# Altium PCB ife18_TS_BMS_Master.PcbDoc
Units mm, origin at the board's own origin, x right, y up, seen from the top; angles counter-clockwise.
Board outline 140 x 68 mm, 2 copper layers (Top Layer, Bottom Layer); 49 components, 51 nets, 222 pads, 62 vias.
Unrouted connection lines stored in the file: 5.
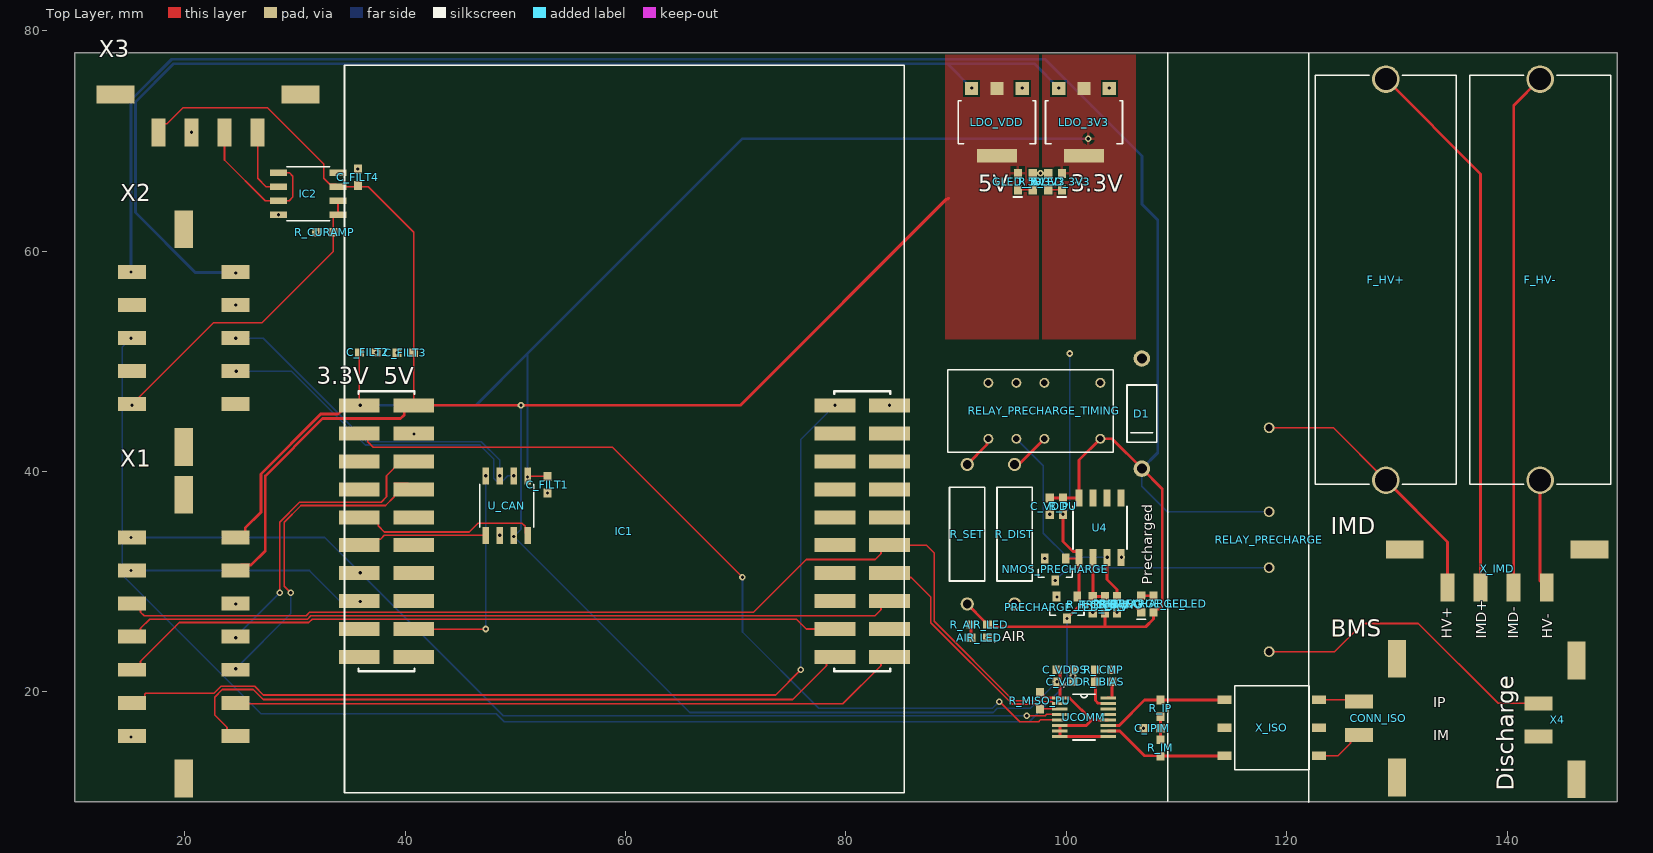
[diagram p0: Top Layer view]
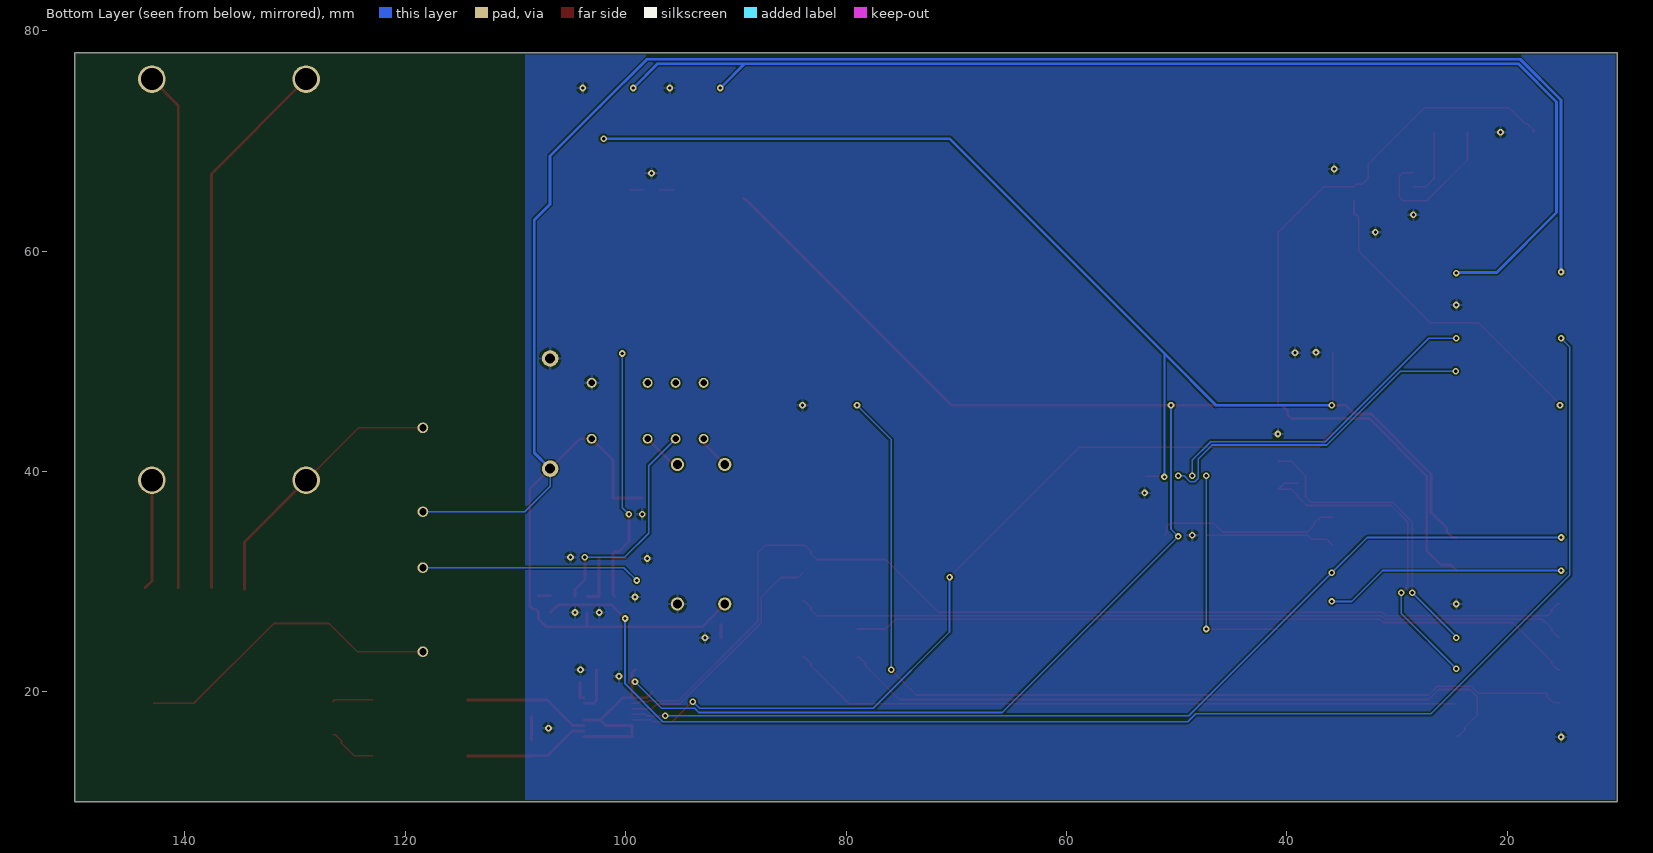
[diagram p1: Bottom Layer view, seen from below]

## Layer stack, top to bottom
Top Solder: solder mask 0.0102, Solder Resist, Dk 3.5
Top Layer: signal copper 0.0356
Dielectric 1: dielectric 0.32, FR-4, Dk 4.8
Bottom Layer: signal copper 0.0356
Bottom Solder: solder mask 0.0102, Solder Resist, Dk 3.5

## Board outline
10,10 150,10 150,78 10,78

## Design rules (kind name [scope] priority, off if disabled: settings)
BoardOutlineClearance [All] p1: gap=0.2 ignorepadtopadclearanceinfootprint=FALSE
Clearance "Tractive Net Class" [InNetClass('Tractive')] p1: gap=0.8 ignorepadtopadclearanceinfootprint=FALSE
Clearance [NOT InNetClass('Tractive')] p2: gap=0.152 ignorepadtopadclearanceinfootprint=FALSE
HoleSize [All] p1: absolutevalues=TRUE maxlimit=6.3 minlimit=0.3 maxpercent=80.000 minpercent=20.000
MinimumAnnularRing [All] p1: minimumring=0.076
MinimumSolderMaskSliver [All] p1: minsoldermaskwidth=0
PolygonConnect "SOT223 Planes" [HasFootprint('SOT223')] p1: connectstyle=Direct reliefconductorwidth=0.254 reliefentries=4 polygonreliefangle="90 Angle" airgapwidth=0.254
PolygonConnect [All] p2: connectstyle=Relief reliefconductorwidth=0.254 reliefentries=4 polygonreliefangle="90 Angle" airgapwidth=0.254
RoomDefinition U_Precharge [InComponentClass('U_Precharge')] p1: confinementstyle=ConfineIn formatcopy=TRUE lockcomponents=FALSE outline 89,10 122,10 122,78 89,78
RoomDefinition U_Comms [InComponentClass('U_Comms')] p2: confinementstyle=ConfineIn formatcopy=TRUE lockcomponents=FALSE outline 89,10 150,10 150,78 89,78
RoomDefinition ife18_TS_BMS_Master [InComponentClass('ife18_TS_BMS_Master')] p3: confinementstyle=ConfineIn formatcopy=TRUE lockcomponents=FALSE outline 10,9.75 150,9.75 150,77.75 10,77.75
RoutingVias [All] p1: holewidth=0.3 width=0.6 viastyle="Through Hole" minholewidth=0.3 minwidth=0.6 maxholewidth=6.3 maxwidth=10
SilkToSilkClearance [All] p1: silktosilkclearance=0
SilkToSolderMaskClearance [IsPad] p1: minsilkscreentomaskgap=0 clearancetoexposedcopper=TRUE
SolderMaskExpansion [All] p1: expansion=0.051
Width [All] p1: maxlimit=2.54 minlimit=0.152 preferedwidth=0.254
26 further rules are at their usual default settings.

## Classes and differential pairs
net class Tractive: Discharge+ HV+ HV- IM_ISO IMD+ IMD- IP_ISO
component class U_Precharge: AIR_LED C_TIMING C_VDD D1 NMOS_PRECHARGE PRECHARGE_LED PRECHARGE_LED_DRV R_AIR_LED R_DIST R_PRECHARGE_LED R_PU R_SET R_TRIG_B R_TRIG_T RELAY_PRECHARGE RELAY_PRECHARGE_TIMING U4
component class U_Comms: C_IPIM C_VDD C_VDDS CONN_ISO R_IBIAS R_ICMP R_IM R_IP R_MISO_PU UCOMM X_ISO
component class ife18_TS_BMS_Master: C_FILT1 C_FILT2 C_FILT3 C_FILT4 F_HV+ F_HV- GLED_3V3 GLED_5V IC1 IC2 LDO_3V3 LDO_VDD R_3V3 R_5V R_CURAMP U_CAN X1 X2 X3 X4 X_IMD

## Components (designator, comment, footprint, x,y, rotation, side; value= is the part's Value field where it differs from the comment)
AIR_LED "" LEDRED-0603 92.1,24.9 r0 top
C_FILT1 "1u" CAP-0603 52.9,38.8 r90 top
C_FILT2 "1u" CAP-0603 36.594,50.8 r180 top
C_FILT3 "1u" CAP-0603 40,50.776 r0 top
C_FILT4 "1u" CAP-0603 35.7,66.7 r270 top
C_IPIM "10n" CAP-0603 107.8,16.7 r180 top
C_TIMING "33u" CAP-0603 104.6,27.9 r90 top
C_VDD "1u" CAP-0603 98.5,36.85 r90 top
C_VDD "1u" CAP-0603 99.9,20.9 r180 top
C_VDDS "1u" CAP-0603 99.9,22 r180 top
CONN_ISO "" 43650-0224 130,17.6 r90 top
D1 "" DO41-10 106.853,45.25 r270 top
F_HV+ "" FUSE3AG_354101 129,57.4 r270 top
F_HV- "" FUSE3AG_354101 143,57.4 r90 top
GLED_3V3 "" LEDGREEN-0603 99.6,66.3 r270 top
GLED_5V "" LEDGREEN-0603 95.6,66.3 r270 top
IC1 "EK-TM4C123GXL" TM4C123LAUNCHPAD 59.885,33.3 r0 top
IC2 "IC-SOIC8_INA143" SOIC8 31.2,65.2 r270 top
LDO_3V3 "3V3" SOT223 101.6,71.7 r180 top
LDO_VDD "5V" SOT223 93.7,71.7 r180 top
NMOS_PRECHARGE "NMOS-SOT23" SOT23 99,31.1 r180 top
PRECHARGE_LED "" LEDGREEN-0603 106.8,27.97 r270 top
PRECHARGE_LED_DRV "" SOT23 100.05,27.65 r180 top
R_3V3 "200" RES-0603 98.35,66.3 r90 top
R_5V "200" RES-0603 96.95,66.3 r90 top
R_AIR_LED "1K" RES-0603 92.1,26.1 r180 top
R_CURAMP "100K" RES-0603 32.7,61.7 r0 top
R_DIST "50" AXIAL0.5 95.3,34.3 r270 top
R_IBIAS "1K" RES-0603 103.4,20.9 r0 top
R_ICMP "1K" RES-0603 103.4,22 r180 top
R_IM "50" RES-0603 108.55,14.9 r90 top
R_IP "50" RES-0603 108.55,18.5 r270 top
R_MISO_PU "4K" RES-0603 97.6,19.2 r90 top
R_PRECHARGE_LED "1K" RES-0603 107.9,27.97 r270 top
R_PU "10K" RES-0603 99.7,36.85 r90 top
R_SET "220K" AXIAL0.5 91,34.3 r270 top
R_TRIG_B "6.3K" RES-0603 102.4,27.9 r90 top
R_TRIG_T "3.7K" RES-0603 103.5,27.9 r270 top
RELAY_PRECHARGE "COTO9104" 9104-SIP4 118.4,33.8 r270 top
RELAY_PRECHARGE_TIMING "" RELAY-DPDT_EC2 96.734,45.5 r180 top
U4 "" SOIC8 103.05,34.9 r0 top
U_CAN "IC-SOIC8_MCP2562" SOIC8 49.2,36.9 r0 top
UCOMM "IC-MSOP16_LTC6820" MSOP16 101.6,17.7 r0 top
X1 "Molex - Micro-Fit 3.0 Series connector,  3.00mm (0.118\") pitch header, 14 positions." 43045-1418 19.9,25 r90 top
X2 "Molex - Micro-Fit 3.0 Series connector,  3.00mm (0.118\") pitch header, 10 positions." 43045-1018 19.9,52.1 r90 top
X3 "Molex - Micro-Fit 3.0 Series connector,  3.00mm (0.118\") pitch header, 4 positions." 43650-0424 22.1,74.2 r180 top
X4 "Molex - Micro-Fit 3.0 Series connector,  3.00mm (0.118\") pitch header, 2 positions." 43650-0224 146.3,17.45 r90 top
X_IMD "" 43650-0424 139.1,32.9 r180 top
X_ISO "XFMR_HM2101NL" HM2101 118.65,16.725 r90 top

## Footprints (in the part's own frame and the unit in brackets; to place one, negate y for a bottom-side part, rotate by r counter-clockwise, add the part's x,y. Pads: shape width x height; smd on the part's side, far side on the other; paste and mask are expansions set on the pad)
9104-SIP4 [mm]
  round 0.975 / inner round 1.524 / far side round 0.975 hole 0.65: 1(-10.16,0) 3(-2.54,0) 5(2.54,0) 7(10.16,0)
  body extent -12.03,-3.23 12.03,2.97, height 8.14
43045-1018 [mm]
  rect 3.43x1.65 smd: CLIP1(-9.88,0) CLIP2(9.88,0)
  rect 1.27x2.54 smd: P$1(6,-4.7) P$2(3,-4.7) P$3(0,-4.7) P$4(-3,-4.7) P$5(-6,-4.7) P$6(6,4.7) P$7(3,4.7) P$8(0,4.7) P$9(-3,4.7) P$10(-6,4.7)
  body extent -11.32,-5.61 11.33,5.59, height 9.95
43045-1418 [mm]
  rect 3.43x1.65 smd: CLIP1(-12.88,0) CLIP2(12.88,0)
  rect 1.27x2.54 smd: P$1(9,-4.7) P$2(6,-4.7) P$3(3,-4.7) P$4(0,-4.7) P$5(-3,-4.7) P$6(-6,-4.7) P$7(-9,-4.7) P$8(9,4.7) P$9(6,4.7) P$10(3,4.7) P$11(0,4.7) P$12(-3,4.7) P$13(-6,4.7) P$14(-9,4.7)
  body extent -14.32,-5.61 14.33,5.59, height 9.95
43650-0224 [mm]
  rect 1.27x2.54 smd: P$1(1.5,3.43) P$2(-1.5,3.43)
  rect 3.43x1.65 smd: TAB1(5.39,0) TAB2(-5.39,0)
  body extent -6.82,-2.47 6.83,4.1, height 9.95
43650-0424 [mm]
  rect 1.27x2.54 smd: P$1(4.5,3.43) P$2(1.5,3.43) P$3(-1.5,3.43) P$4(-4.5,3.43)
  rect 3.43x1.65 smd: TAB1(8.39,0) TAB2(-8.39,0)
  body extent -9.82,-2.47 9.83,4.1, height 9.95
AXIAL0.5 [mm]
  round 1.2 hole 0.8 unplated: 1(-6.33,0) 2(6.33,0)
  silkscreen extent -4.25,-1.6 4.25,1.6, body extent -6.72,-1.87 6.73,1.88, height 3.98
CAP-0603 [mm]
  rect 0.8x0.75 smd: 1(-0.75,0) 2(0.75,0)
  body extent -0.8,-0.4 0.8,0.42, height 0.81
DO41-10 [mm]
  round 1.5 hole 0.9 unplated: A(-5,0) K(5,0)
  silkscreen extent -2.6,-1.35 2.6,1.35, body extent -2.6,-1.34 2.6,1.35, height 2.85
FUSE3AG_354101 [mm]
  round 2.5 hole 2 unplated: 1(-18.2,0) 2(18.2,0)
  silkscreen extent -18.55,-6.4 18.55,6.4, body extent -18.97,-6.56 18.97,6.5, height 18.31
HM2101 [mm]
  rect 0.76x1.27 smd: 1(-2.54,-4.3) 2(0,-4.3) 3(2.54,-4.3) 4(2.54,4.3) 5(0,4.3) 6(-2.54,4.3)
  silkscreen extent -3.81,-3.36 3.81,3.36, body extent -3.81,-4.44 3.81,4.44, height 5.71
LEDGREEN-0603 [mm]
  rect 0.8x0.75 smd: A(-0.75,0) K(0.75,0)
  silkscreen extent 1.4,-0.42 1.4,0.38, body extent -0.8,-0.4 0.8,0.4, height 0.53
LEDRED-0603 [mm]
  rect 0.8x0.75 smd: A(-0.75,0) K(0.75,0)
  silkscreen extent 1.4,-0.42 1.4,0.38, body extent -0.8,-0.4 0.8,0.4, height 0.53
MSOP16 [mil]
  rect 55x11 smd: 1(-86,68.95) 2(-86,49.25) 3(-86,29.55) 4(-86,9.85) 5(-86,-9.85) 6(-86,-29.55) 7(-86,-49.25) 8(-86,-68.95) 9(86,-68.95) 10(86,-49.25) 11(86,-29.55) 12(86,-9.85) 13(86,9.85) 14(86,29.55) 15(86,49.25) 16(86,68.95)
  silkscreen extent -39,-82 39,82, body extent -99,-81 100,82, height 43
RELAY-DPDT_EC2 [mm]
  round 0.9 / inner round 1.524 / far side round 0.9 hole 0.6: 1(-6.35,2.54) 3(-1.27,2.54) 4(1.27,2.54) 5(3.81,2.54) 8(3.81,-2.54) 9(1.27,-2.54) 10(-1.27,-2.54) 12(-6.35,-2.54)
  silkscreen extent -7.5,-3.75 7.5,3.75, body extent -7.4,-3.75 7.6,3.75, height 8.9
RES-0603 [mm]
  rect 0.8x0.75 smd: 1(-0.75,0) 2(0.75,0)
  body extent -0.8,-0.4 0.8,0.4, height 0.44
SOIC8 [mm]
  rect 0.6x1.55 smd: 1(-1.905,-2.7) 2(-0.635,-2.7) 3(0.635,-2.7) 4(1.905,-2.7) 5(1.905,2.7) 6(0.635,2.7) 7(-0.635,2.7) 8(-1.905,2.7)
  silkscreen extent -2.45,-1.95 2.45,1.95, body extent -2.45,-3.01 2.45,3.01, height 1.5
SOT23 [mm]
  rect 0.7x0.9 smd: 1(-0.95,-1) 2(0.95,-1) 3(0,1)
  silkscreen extent -1.55,0 1.55,0.71, body extent -1.45,-1.41 1.45,1.41, height 1.5
SOT223 [mm]
  rect 1.2x1.2 smd: 1(-2.3,-3.05) 2(0,-3.05) 3(2.3,-3.05)
  rect 3.6x1.2 smd: 4(0,3.05)
  silkscreen extent -3.5,-1.95 3.5,1.95, body extent -3.25,-3.52 3.25,3.5, height 1.8
TM4C123LAUNCHPAD [mm]
  rect 3.68x1.27 smd: 1(-24.065,12.7) 2(-24.065,10.16) 3(-24.065,7.62) 4(-24.065,5.08) 5(-24.065,2.54) 6(-24.065,0) 7(-24.065,-2.54) 8(-24.065,-5.08) 9(-24.065,-7.62) 10(-24.065,-10.16) 11(24.065,-10.16) 12(24.065,-7.62) 13(24.065,-5.08) 14(24.065,-2.54) 15(24.065,0) 16(24.065,2.54) 17(24.065,5.08) 18(24.065,7.62) 19(24.065,10.16) 20(24.065,12.7) 21(-19.115,12.7) 22(-19.115,10.16) 23(-19.115,7.62) 24(-19.115,5.08) 25(-19.115,2.54) 26(-19.115,0) 27(-19.115,-2.54) 28(-19.115,-5.08) 29(-19.115,-7.62) 30(-19.115,-10.16) 31(19.115,-10.16) 32(19.115,-7.62) 33(19.115,-5.08) 34(19.115,-2.54) 35(19.115,0) 36(19.115,2.54) 37(19.115,5.08) 38(19.115,7.62) 39(19.115,10.16) 40(19.115,12.7)
  silkscreen extent -25.43,-22.48 25.4,43.56, body extent -25.4,-22.48 25.4,43.56, height 21.44

## Part data
AIR_LED: library part LEDRED-0603
C_FILT1 C_FILT2 C_FILT3 C_FILT4 C_IPIM C_TIMING C_VDD C_VDD C_VDDS: library part CAP-0603
CONN_ISO: library part POS2_43650-0224, Package=43650-0224, DeviceName=43650-0224, DeviceSetName=HEADER_POS2_?, GateName_1=G$1, LibraryName="MOLEX Micro-Fit", SymbolName_1=HEADER_POS2
D1: library part DIODE-DO41-10
F_HV+ F_HV-: library part FUSE-354101
GLED_3V3 GLED_5V PRECHARGE_LED: library part LEDGREEN-0603
IC1: "Evaluation Kit For ARM Cortex-M4F-based Microcontrollers", Package=None, Availability=Unavailable, MF="Texas Instruments", MP=EK-TM4C123GXL, Price=None, SnapEDA_Link=https://www.snapeda.com/parts/EK-TM4C123GXL/Texas%20Instruments/view-part/?ref=snap
LDO_3V3 LDO_VDD: library part LDO-SOT223_SPX1117
PRECHARGE_LED_DRV: library part NMOS-SOT23
R_3V3 R_5V R_AIR_LED R_CURAMP R_IBIAS R_ICMP R_IM R_IP R_MISO_PU R_PRECHARGE_LED R_PU R_TRIG_B R_TRIG_T: library part RES-0603
R_DIST R_SET: library part RES-AXIAL0.5
RELAY_PRECHARGE: Package=9104-SIP4, DeviceSetName=COTO9104, GateName_1=G$1, LibraryName=Discharge_Components_Altium_Export, SymbolName_1=SPST_REED
RELAY_PRECHARGE_TIMING: library part RELAY_EC2, Package=DPDT_2.54, DeviceSetName=EC2, GateName_1=G$1, LibraryName=KEMET, SymbolName_1=MONOSTABLERELAY
U4: library part IC-SOIC8_LM393
X1: library part POS14_MF43045-1418, Package=43045-1418, DeviceName=43045-1418, DeviceSetName=HEADER_POS14_?, GateName_1=G$1, LibraryName="MOLEX Micro-Fit", SymbolName_1=HEADER_POS14
X2: library part POS10_MF43045-1018, Package=43045-1018, DeviceName=43045-1018, DeviceSetName=HEADER_POS10_?, GateName_1=G$1, LibraryName="MOLEX Micro-Fit", SymbolName_1=HEADER_POS10
X3 X_IMD: library part POS4_MF43650-0424, Package=43650-0424, DeviceName=43650-0424, DeviceSetName=HEADER_POS4_?, GateName_1=G$1, LibraryName="MOLEX Micro-Fit", SymbolName_1=HEADER_POS4
X4: library part POS2_MF43650-0224, Package=43650-0224, DeviceName=43650-0224, DeviceSetName=HEADER_POS2_?, GateName_1=G$1, LibraryName="MOLEX Micro-Fit", SymbolName_1=HEADER_POS2

## Via types
v1: diameter 0.6, hole 0.3, Top Layer to Bottom Layer, 62 vias

## Nets (pads, with @x,y where several pads share a name; then routed paths per layer and width w, separated by ;. In a path a pad name is that pad's centre, name@x,y a point inside that pad or via, vN(x,y) a via of type N, cw(c..) or ccw(c..) an arc to the next point about the centre after c; other vN are vias at no path point)
3V3: C_FILT1.2 C_FILT2.2 GLED_3V3.A IC1.1 LDO_3V3.2 LDO_3V3.4 U_CAN.5 X1.P$1 | length 112.4
  Top Layer w0.152: IC1.1 35.82,50.776 C_FILT2.2 ; U_CAN.5@51.105,39.505 51.15,39.55 C_FILT1.2
  Top Layer w0.254: X1.P$1 24.959,34 25.467,34.508 25.467,34.867 26.894,36.294 26.894,39.768 32.332,45.206 33.906,45.206 34.107,45.407 34.107,45.492 34.615,46 IC1.1
  Bottom Layer w0.152: v1(51.1,39.5) 51.1,50.7
  Bottom Layer w0.254: v1(35.9,46) 46.4,46 51.1,50.7 70.6,70.2 v1(102,70.2)
5V: C_FILT3.2 C_FILT4.2 C_VDD.2@99.15,20.9 C_VDDS.2 GLED_5V.A IC1.21 IC2.7 LDO_VDD.2 LDO_VDD.4 R_MISO_PU.2 U_CAN.3 UCOMM.1 UCOMM.6 UCOMM.7 UCOMM.8 UCOMM.9 UCOMM.12 X1.P$2 X3.P$1 | length 216
  Top Layer w0.152: X3.P$1 17.6,70.986 18.159,71.544 18.374,71.544 19.83,73 27.5,73 32.6,67.9 32.6,66.6 33.141,66.059 33.676,66.059 IC2.7 36.635,65.835 40.77,61.7 IC1.21 ; v1(49.835,34.1) U_CAN.3
  Top Layer w0.254: X1.P$2 25.108,31.508 26.008,31.508 27.3,32.8 27.3,39.6 32.5,44.8 39.57,44.8 39.903,45.133 39.903,45.492 40.411,46 IC1.21 v1(50.5,46) 70.4,46 89.1,64.7 89.2,64.7 89.3,64.8 ; R_MISO_PU.2 97.6,19.925 97.848,19.677 97.873,19.677 98.099,19.451 UCOMM.1 ; C_VDDS.2 99.168,22 99.416,21.752 UCOMM.1 ; UCOMM.9 UCOMM.8 UCOMM.7 UCOMM.6 101.801,16.949 102.302,17.45 ; UCOMM.12 102.302,17.45 ; UCOMM.1 100.3,19.451 102.302,17.45
  Bottom Layer w0.152: v1(50.5,46) 50.5,34.765 v1(49.835,34.1) 65.809,18.126 93.357,18.126 93.733,18.502 96.752,18.502 v1(99.15,20.9)
AIR: C_VDD.2@98.5,37.6 D1.K R_AIR_LED.1 R_PRECHARGE_LED.2 R_PU.2 R_SET.2 R_TRIG_T.2 RELAY_PRECHARGE.3 RELAY_PRECHARGE_TIMING.1 U4.8 X2.P$6 | length 204.3
  Top Layer w0.152: v1(15.1,58.1) X2.P$6 ; 108.7,36.3 108.74,36.34
  Top Layer w0.254: R_SET.2 92.577,26.393 92.577,26.348 92.825,26.1 R_AIR_LED.1 93.05,25.9 103.5,25.9 ; C_VDD.2@98.5,37.6 U4.8 101.145,41.021 RELAY_PRECHARGE_TIMING.1 104.143,42.96 D1.K 108.7,38.403 108.7,36.3 108.7,27.8 108.393,27.493 108.148,27.493 107.9,27.245 R_PRECHARGE_LED.2 107.9,26.6 107.2,25.9 103.5,25.9 ; R_TRIG_T.2 103.5,25.9
  Bottom Layer w0.152: D1.K 106.853,38.647 109.16,36.34 RELAY_PRECHARGE.3
  Bottom Layer w0.254: v1(15.1,58.1) 15.1,73.7 18.806,77.406 98.064,77.406 102.312,73.158 106.853,68.617 106.853,64.25 108.3,62.803 108.3,41.697 D1.K
BMS_CS: IC1.2 UCOMM.5 | length 78
  Top Layer w0.152: IC1.2 36.036,43.46 36.594,42.901 36.594,42.686 37.08,42.2 58.8,42.2 v1(70.6,30.4) ; v1(93.9,19.1) 93.951,19.1 95.758,17.293 97.493,17.293 97.65,17.45 UCOMM.5
  Bottom Layer w0.152: v1(70.6,30.4) 70.6,25.421 77.52,18.502 93.302,18.502 v1(93.9,19.1)
BMS_FLT: X2.P$5
BMS_MISO: IC1.14 R_MISO_PU.1 UCOMM.3 | length 21.9
  Top Layer w0.152: IC1.14 84.344,30.366 85.929,30.366 87.695,28.6 87.695,26.274 95.074,18.895 97.155,18.895 97.276,18.774 97.301,18.774 97.6,18.475 R_MISO_PU.1 ; R_MISO_PU.1 UCOMM.3
BMS_MOSI: IC1.15 UCOMM.2 X1.P$10 | length 97.2
  Top Layer w0.152: X1.P$10 15.416,28 15.974,27.441 15.974,27.226 16.3,26.9 31,26.9 31.305,27.205 32.526,27.205 71.605,27.205 76.4,32 82.65,32 83.176,32.526 83.176,32.741 83.734,33.3 IC1.15 87.3,33.3 88,32.6 88,26.4 95.2,19.2 97.847,19.2 97.964,19.083 98.725,19.083 98.857,18.951 UCOMM.2
BMS_SCK: IC1.7 UCOMM.4 X1.P$8 | length 91.2
  Top Layer w0.152: v1(96.4,17.821) 98.07,17.821 98.198,17.95 UCOMM.4
  Bottom Layer w0.152: v1(15.1,34) 32.7,34 32.9,33.8 ; 32.782,33.918 v1(35.9,30.8) 48.879,17.821 v1(96.4,17.821)
CAN0Rx: IC1.5 U_CAN.4 | length 17.1
  Top Layer w0.152: IC1.5 36.976,35.84 37.534,35.281 37.534,35.066 38.095,34.505 45.805,34.505 46.6,35.3 50.6,35.3 50.881,35.019 50.881,34.424 U_CAN.4
CAN0Tx: IC1.6 U_CAN.1 | length 11.8
  Top Layer w0.152: IC1.6 36.377,33.857 37.757,33.857 38.1,34.2 U_CAN.1
CANH: U_CAN.7 X2.P$3 | length 30
  Bottom Layer w0.152: v1(24.6,52.1) 27.1,52.1 36.5,42.7 46.9,42.7 48.565,41.035 v1(48.565,39.6)
CANL: U_CAN.6 X2.P$4 | length 30.6
  Bottom Layer w0.152: v1(24.666,49.1) 29.669,49.1 36.374,42.395 46.774,42.395 48.036,41.133 48.036,39.381 48.346,39.071 48.784,39.071 49.313,39.6 v1(49.835,39.6)
CANSTBY: IC1.29 U_CAN.8 | length 20.4
  Top Layer w0.152: IC1.29 47.28,25.68 v1(47.3,25.7)
  Bottom Layer w0.152: v1(47.3,25.7) v1(47.3,39.6)
CUR: IC2.2 X3.P$4 | length 6.4
  Top Layer w0.152: X3.P$4 26.6,66.6 27.365,65.835 IC2.2
CURAMP: IC2.5 IC2.6 R_CURAMP.2 X2.P$10 | length 28.9
  Top Layer w0.152: X2.P$10 22.6,53.5 27,53.5 33.461,59.961 33.461,63.071 33.684,63.295 IC2.5 IC2.6
  other v1: 15.2,46
CURREF: IC2.1 IC2.3 X3.P$3 | length 13.7
  Top Layer w0.152: X3.P$3 23.6,68.265 27.3,64.565 IC2.3 29.465,64.565 29.8,64.9 29.8,66.8 29.495,67.105 IC2.1
CURRENT: X2.P$9
Discharge+: RELAY_PRECHARGE.7 X4.P$1 | length 28.5
  Top Layer w0.152: RELAY_PRECHARGE.7 124.34,23.64 126.9,26.2 131.94,26.2 139.19,18.95 X4.P$1
GND: AIR_LED.K C_FILT1.1 C_FILT2.1 C_FILT3.1 C_FILT4.1 C_IPIM.2 C_TIMING.1 C_VDD.1 C_VDDS.1 D1.A IC1.20 IC1.22 IC2.4 LDO_3V3.1 LDO_VDD.1 NMOS_PRECHARGE.2 PRECHARGE_LED_DRV.2 R_3V3.2 R_5V.2 R_CURAMP.1 R_DIST.2 R_ICMP.1 R_TRIG_B.1 RELAY_PRECHARGE_TIMING.12 U4.4 U_CAN.2 UCOMM.13 UCOMM.14 X1.P$3 X1.P$14 X2.P$2 X3.P$2 | length 1.4
  Top Layer w0.152: R_5V.2 v1(97.65,67.05) R_3V3.2
  other v1: 15.1,15.9 107,16.7 100.6,21.4 104.1,22 92.8,24.9 102.4,27.2 104.6,27.2 24.6,27.97 99.15,28.6 98.05,32.1 105,32.2 48.565,34.2 98.5,36.1 52.9,38.05 40.8,43.4 83.95,46 39.25,50.776 37.344,50.8 24.6,55.1 31.95,61.7 28.5,63.295 35.7,67.45 20.6,70.77 96,74.8 103.9,74.8
HV+: F_HV+.2 RELAY_PRECHARGE.1 X_IMD.P$1 | length 24.8
  Top Layer w0.152: RELAY_PRECHARGE.1 124.24,43.96 F_HV+.2
  Top Layer w0.254: F_HV+.2 134.6,33.6 X_IMD.P$1 X_IMD.P$1@134.6,29.3
HV-: F_HV-.1 X4.P$2 X_IMD.P$4 | length 10
  Top Layer w0.254: F_HV-.1 143,30.07 X_IMD.P$4
IBIAS: R_IBIAS.2 UCOMM.16 | length 1.8
  Top Layer w0.254: UCOMM.16 104.137,19.451 104.15,19.464 R_IBIAS.2
ICMP: R_IBIAS.1 R_ICMP.2 UCOMM.15 | length 4
  Top Layer w0.254: R_ICMP.2 R_IBIAS.1 102.65,19.2 102.899,18.951 UCOMM.15
IM: R_IM.1 UCOMM.10 X_ISO.6 | length 11.5
  Top Layer w0.254: UCOMM.10 104.851,16.449 107.1,14.2 108.5,14.2 R_IM.1 108.585,14.185 X_ISO.6
IM_ISO: CONN_ISO.P$2 X_ISO.1 | length 4.5
  Top Layer w0.152: X_ISO.1 124.655,14.185 125.796,15.326 125.796,15.541 126.354,16.1 CONN_ISO.P$2
IMD+: F_HV+.1 X_IMD.P$2 | length 49.7
  Top Layer w0.254: F_HV+.1 137.6,67 X_IMD.P$2
IMD-: F_HV-.2 X_IMD.P$3 | length 47.1
  Top Layer w0.254: X_IMD.P$3 140.6,73.2 F_HV-.2
IMD_FLT: X2.P$7
IP: R_IP.1 UCOMM.11 X_ISO.4 | length 11.5
  Top Layer w0.254: UCOMM.11 104.8,16.949 107.1,19.25 R_IP.1 114.335,19.25 X_ISO.4
IP_ISO: CONN_ISO.P$1 X_ISO.3 | length 3.7
  Top Layer w0.152: X_ISO.3 126.405,19.265 CONN_ISO.P$1
LCD_RST: IC1.32 X1.P$12 | length 66.2
  Top Layer w0.152: X1.P$12 15.416,22 15.974,22.559 15.974,22.774 19.49,26.29 31.253,26.29 31.557,26.595 75.505,26.595 76.4,25.7 78.98,25.7 IC1.32
LCD_SCS: IC1.13 X1.P$11 | length 70.3
  Top Layer w0.152: X1.P$11 15.416,25 15.974,25.559 15.974,25.774 16.795,26.595 31.126,26.595 31.431,26.9 32.4,26.9 82.63,26.9 83.176,27.446 83.176,27.661 83.734,28.22 IC1.13
LCD_SDC: IC1.8 X1.P$9 | length 22.1
  Top Layer w0.152: v1(15.1,31) X1.P$9
  Bottom Layer w0.152: v1(15.1,31) 31.3,31 34.1,28.2 v1(35.9,28.2)
LED_PWM: IC1.40 X1.P$13 | length 88
  Top Layer w0.152: X1.P$13 15.79,19 16.349,19.559 16.349,19.774 16.438,19.864 22.633,19.864 23.274,20.505 26.326,20.505 27.131,19.7 73.6,19.7 v1(75.9,22)
  Bottom Layer w0.152: v1(75.9,22) 75.9,42.9 v1(79,46)
NetAIR_LED_A: AIR_LED.A R_AIR_LED.2 | length 1.2
  Top Layer w0.254: AIR_LED.A R_AIR_LED.2
NetC_IPIM_1: C_IPIM.1 R_IM.2 R_IP.2 | length 2.1
  Top Layer w0.254: R_IM.2 C_IPIM.1 R_IP.2
NetGLED_3V3_K: GLED_3V3.K R_3V3.1 | length 1.3
  Top Layer w0.152: R_3V3.1 GLED_3V3.K
NetGLED_5V_K: GLED_5V.K R_5V.1 | length 1.4
  Top Layer w0.152: GLED_5V.K R_5V.1
NetPRECHARGE_LED_A: PRECHARGE_LED.A R_PRECHARGE_LED.1 | length 1.1
  Top Layer w0.254: PRECHARGE_LED.A R_PRECHARGE_LED.1
NetR_DIST_1: R_DIST.1 RELAY_PRECHARGE_TIMING.3 | length 3.7
  Top Layer w0.254: R_DIST.1 95.481,40.811 95.855,40.811 RELAY_PRECHARGE_TIMING.3
NetR_SET_1: R_SET.1 RELAY_PRECHARGE_TIMING.5 | length 3.1
  Top Layer w0.254: R_SET.1 92.801,42.431 92.801,42.836 RELAY_PRECHARGE_TIMING.5
PRECHARGE: NMOS_PRECHARGE.1 PRECHARGE_LED_DRV.1 R_PU.1 U4.1 | length 24.5
  Top Layer w0.152: NMOS_PRECHARGE.1 101.045,32.1 U4.1 ; v1(100.3,50.7) v1@100.4,50.7
  Top Layer w0.254: v1(99.7,36.1) 99.7,33.645 100.613,32.732 100.972,32.732 101.145,32.559 U4.1 101.145,28.795 PRECHARGE_LED_DRV.1
  Bottom Layer w0.152: v1(99.7,36.1) 100.3,36.7 v1(100.3,50.7)
PRECHARGE_COMPLETE: PRECHARGE_LED.K PRECHARGE_LED_DRV.3 X2.P$8 | length 128.2
  Top Layer w0.152: v1(15.1,52.1) X2.P$8
  Top Layer w0.254: v1(100.05,26.65) 100.05,26.75 100.273,26.973 100.373,26.973 101.3,27.9 106.12,27.9 106.527,27.493 106.552,27.493 106.8,27.245 PRECHARGE_LED.K
  Bottom Layer w0.152: v1(15.1,52.1) 14.3,51.3 14.3,30.6 26.9,18 48.269,18 48.976,17.293 96.619,17.293 100.05,20.724 v1(100.05,26.65)
PWR_IN: LDO_3V3.3 LDO_VDD.3 X2.P$1 | length 110.8
  Bottom Layer w0.254: v1(24.6,58) 24.666,58.066 20.934,58.066 15.506,63.494 15.506,73.532 18.975,77 89.2,77 ; v1(91.4,74.8) 89.2,77 ; v1(99.3,74.8) 97.1,77 89.2,77
RELAY-: NMOS_PRECHARGE.3 RELAY_PRECHARGE.5 | length 19.9
  Bottom Layer w0.152: v1(99,30.1) 100.16,31.26 RELAY_PRECHARGE.5
TIMING: C_TIMING.2 RELAY_PRECHARGE_TIMING.4 U4.3 | length 20.2
  Top Layer w0.254: U4.3 103.685,30.2 104.6,29.285 C_TIMING.2
  Bottom Layer w0.152: RELAY_PRECHARGE_TIMING.4 97.9,40.524 97.9,34.4 100.1,32.2 v1(103.7,32.2)
TOUCH_XN: IC1.31 X1.P$7 | length 63.1
  Top Layer w0.152: X1.P$7 24.384,16 23.826,16.559 23.826,16.774 22.7,17.9 22.7,19.5 23.4,20.2 26.2,20.2 27.095,19.305 75.165,19.305 78.226,22.366 78.226,22.581 78.784,23.14 IC1.31
TOUCH_XP: IC1.24 X1.P$5 | length 30.7
  Top Layer w0.152: v1(29.6,29) 29.016,29.584 29.016,35.384 30.531,36.9 38.2,36.9 39.006,37.706 39.006,37.821 39.565,38.38 IC1.24 40.211,38.939 IC1.24@38.961,38.939
  Bottom Layer w0.152: v1(24.6,22.1) 29.6,27.1 v1(29.6,29)
TOUCH_YN: IC1.11 X1.P$6 | length 61.1
  Top Layer w0.152: X1.P$6@24.7,18.9 79.71,18.9 83.176,22.366 83.176,22.581 83.734,23.14 IC1.11
TOUCH_YP: IC1.23 X1.P$4 | length 27.8
  Top Layer w0.152: v1(28.6,29) 28.6,35.4 30.405,37.205 37.816,37.205 38.3,37.689 38.3,39.6 39.006,40.306 39.006,40.361 39.565,40.92 IC1.23
  Bottom Layer w0.152: v1(24.6,24.9) 24.6,25 v1(28.6,29)
V_TRIG: R_TRIG_B.2 R_TRIG_T.1 U4.2 | length 4.7
  Top Layer w0.254: U4.2 102.415,28.665 R_TRIG_B.2 R_TRIG_T.1
pads on no net: CONN_ISO.TAB1 CONN_ISO.TAB2 IC1.3 IC1.4 IC1.9 IC1.10 IC1.12 IC1.16 IC1.17 IC1.18 IC1.19 IC1.25 IC1.26 IC1.27 IC1.28 IC1.30 IC1.33 IC1.34 IC1.35 IC1.36 IC1.37 IC1.38 IC1.39 IC2.8 RELAY_PRECHARGE_TIMING.8 RELAY_PRECHARGE_TIMING.9 RELAY_PRECHARGE_TIMING.10 U4.5 U4.6 U4.7 X1.CLIP1 X1.CLIP2 X2.CLIP1 X2.CLIP2 X3.TAB1 X3.TAB2 X4.TAB1 X4.TAB2 X_IMD.TAB1 X_IMD.TAB2 X_ISO.2 X_ISO.5

## Polygon pours and split planes (outlines as drawn)
3V3 on Top Layer (solid, pour order 4): 97.8,78 106.3,78 106.3,52 97.8,52
5V on Top Layer (solid, pour order 0): 89,78 97.5,78 97.5,52 89,52
GND on Bottom Layer (solid, pour order 6): 10,10 10,78 109.1,78 109.1,10

## Silkscreen, mask and mechanical layers (free items; w line width, h text height)
Top Overlay:
  lines w0.15: 109.2,10.075 109.2,78 ; 122,10 122,77.925
  text "5V" at 92,65.4 h1.52
  text "3.3V" at 100.4,65.4 h1.52
  text "IMD" at 124,34.3 h1.52
  text "Precharged" at 107.8,29.7 h0.91 r90
  text "BMS" at 124,25 h1.52
  text "HV+" at 135,24.8 h0.91 r90
  text "IMD+" at 138.1,24.8 h0.91 r90
  text "IMD-" at 141,24.8 h0.91 r90
  text "HV-" at 144.1,24.8 h0.91 r90
  text "AIR" at 94.2,24.6 h0.91
  text "IP" at 133.3,18.6 h0.91
  text "IM" at 133.3,15.6 h0.91
  text "Discharge" at 140.6,11 h1.52 r90
Mechanical 1:
  the board outline again, w0.15

## Dimensions
121.975,75.525 to 109.275,75.525 on Top Overlay

## Text inside footprints (layer, text, board x,y; h text height)
IC1: Top Overlay "3.3V  5V" at 31.945,47.905 h1.52
UCOMM: Top Overlay "*" at 99.416,19.451 h1.97